# KiCad board MES Main Board.kicad_pcb (continued)
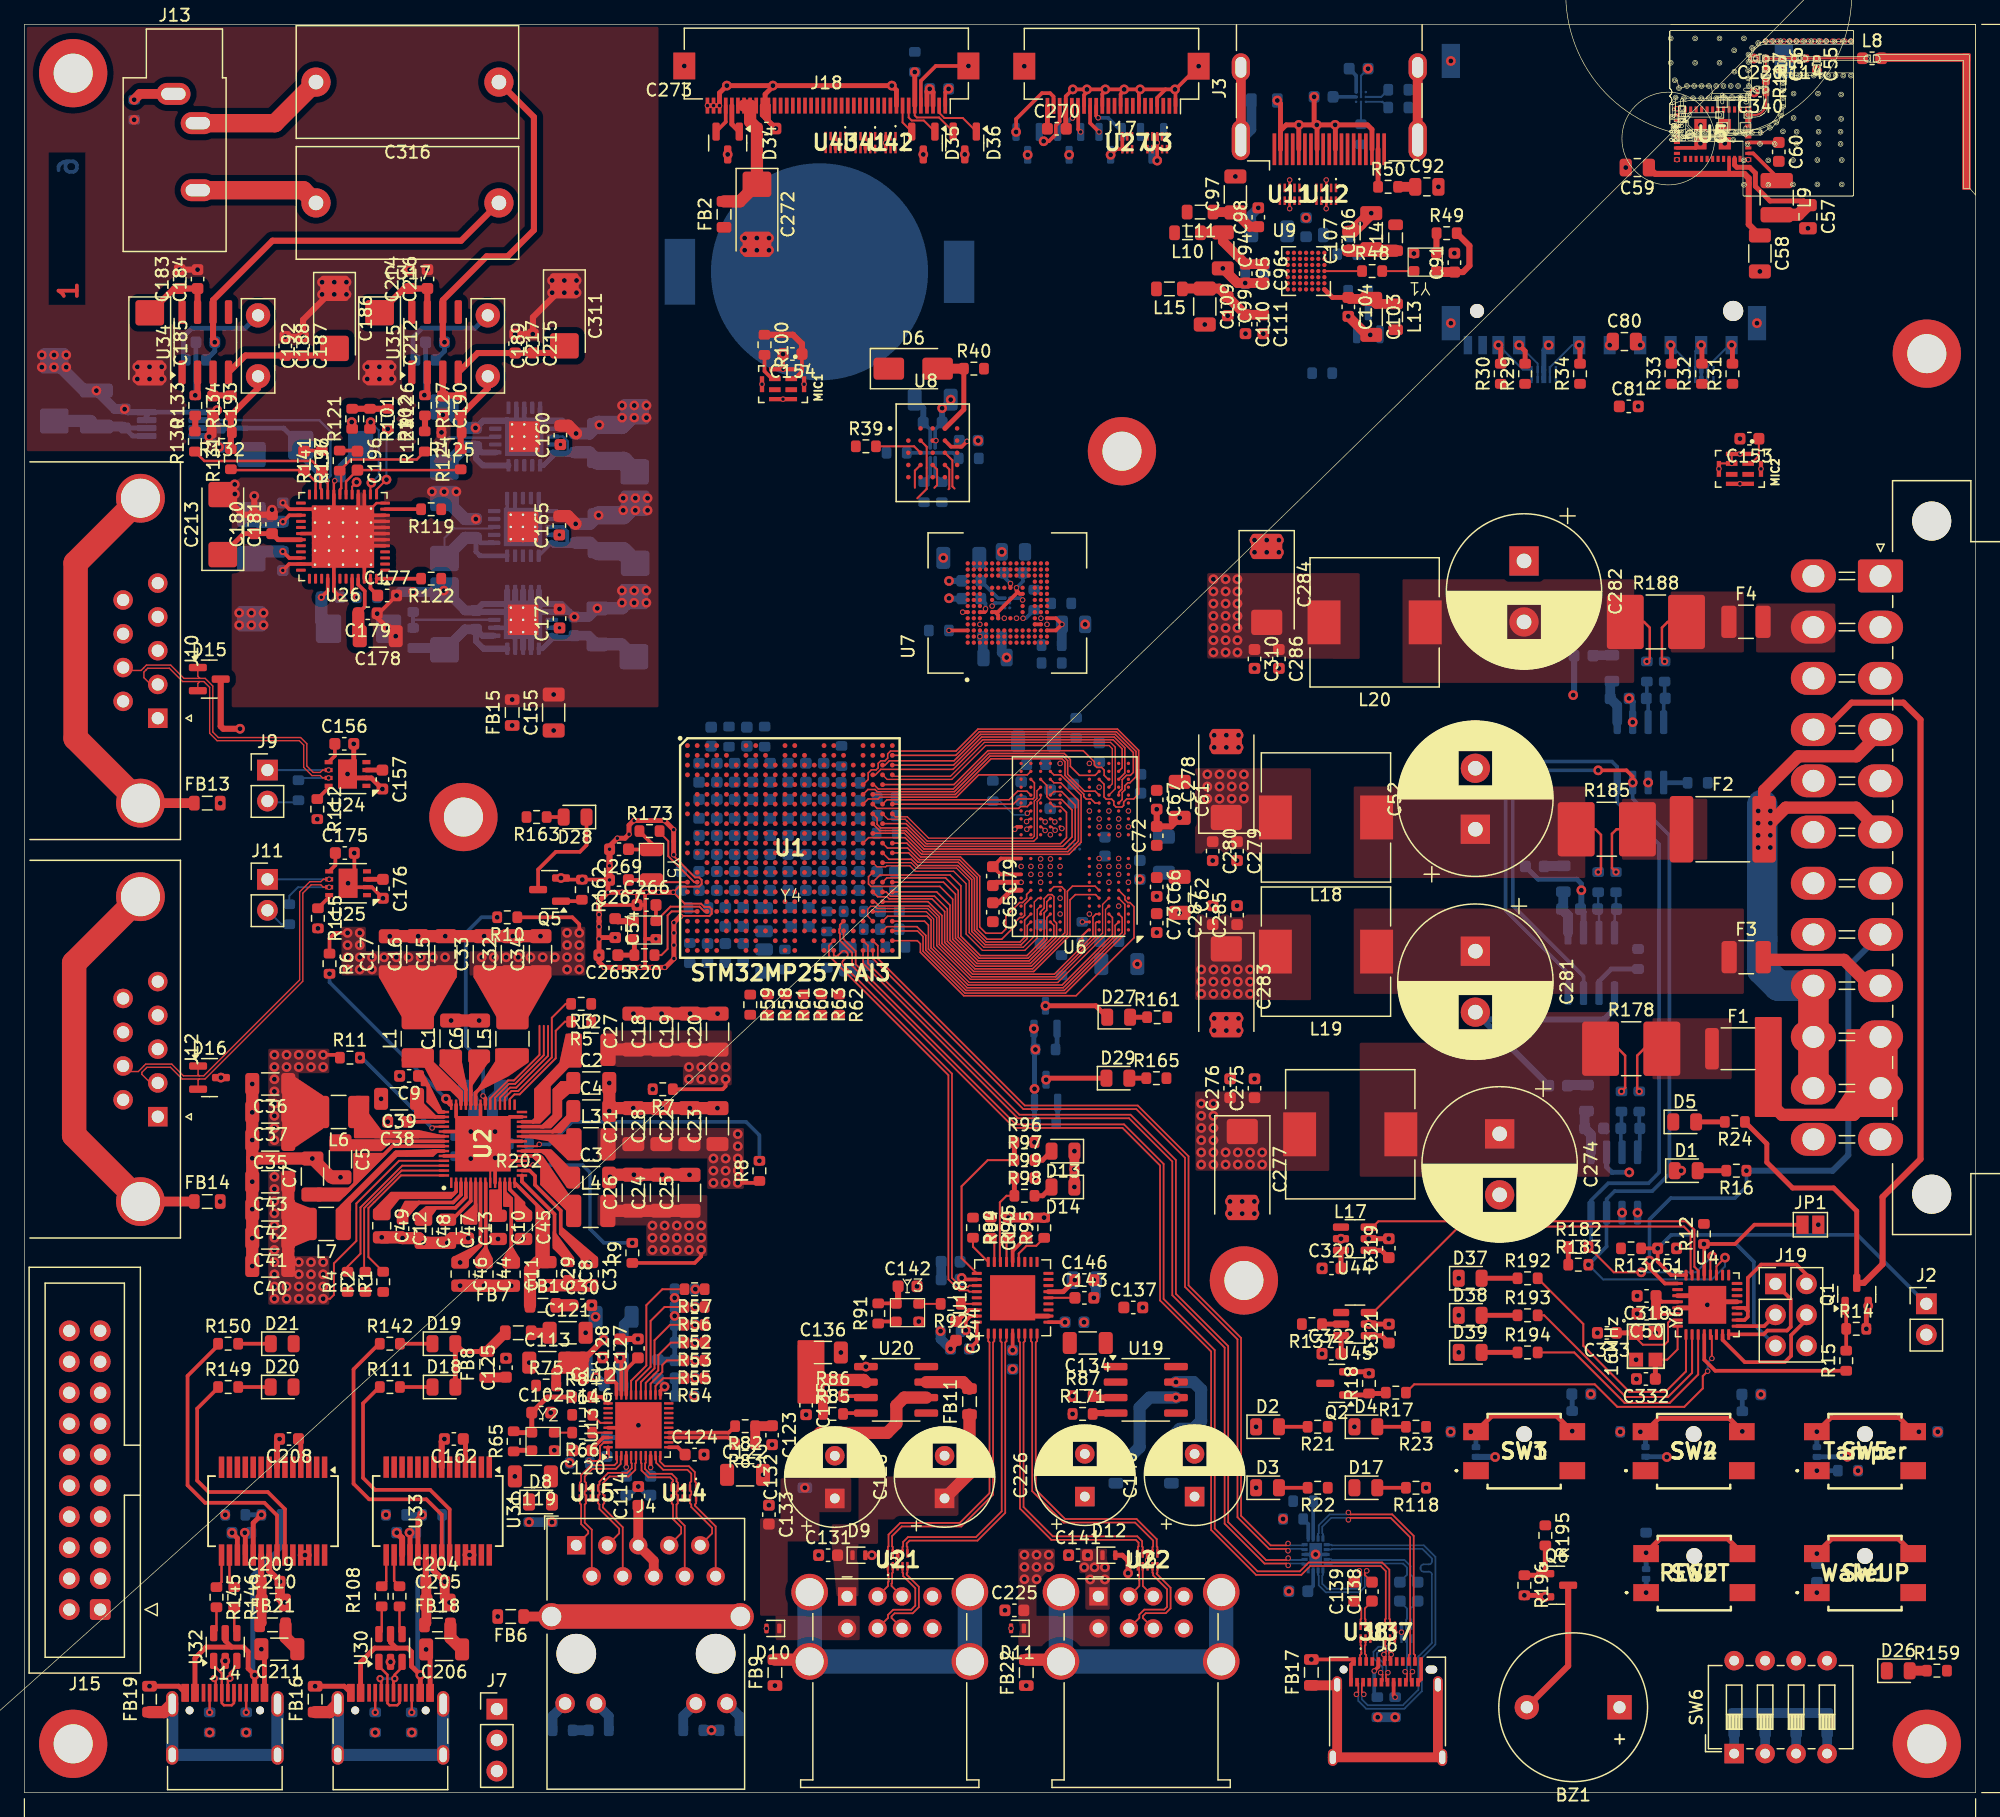
[diagram p0: board, top side]
## Routing (per net, layer and track width the routed paths; a pad name or vN(x,y) marks a point on that pad's centre or on a via; arc(x,y) is an arc through that point) (continued)
  Top w0.3: D19.1 30.79,36.81
Net-(D20-K): length 2.7
  Top w0.3: D20.1 R149.2
Net-(D21-K): length 2.7
  Top w0.3: D21.1 R150.2
Net-(D23-K): length 10.4
  Top w0.4: v1(126.92,29.65) 126.93,29.64 SW3.2 125.65,30.88 120.31,30.88 SW3.2
  Bottom w0.4: v1(118.6,29.59) 119.03,29.16 D23.1
Net-(D24-K): length 10.3
  Top w0.4: SW4.2 134.02,30.69 139.8,30.69 v1(140.87,29.62) 140.85,29.6 SW4.2
  Bottom w0.4: D24.1 132.93,29.17 v1(132.51,29.59)
Net-(D26-A): length 1.4
  Top w0.8: D26.2 154.61,10 R159.1
Net-(D27-A): length 1.4
  Top w0.4: D27.2 R161.1
Net-(D27-K): length 5.5
  Top w0.4: v1(83.73,64.52) 87.85,64.52 D27.1
Net-(D28-A): length 1.4
  Top w0.3: R163.1 D28.2
Net-(D28-K): length 8.7
  Top w0.3: D28.1 46.09,77.7 45.55,77.15 43.58,77.15 42.12,75.69 Q5.3
Net-(D29-A): length 1.4
  Top w0.4: D29.2 R165.1
Net-(D29-K): length 4.8
  Top w0.4: D29.1 83.9,58.59
  vias: v1(83.78,58.46)
Net-(D37-A): length 2.9
  Top w0.4: D37.2 122.43,42.18 R192.1
Net-(D38-A): length 2.9
  Top w0.4: D38.2 R193.1
Net-(D39-A): length 2.9
  Top w0.4: R194.1 122.43,36.1 D39.2
Net-(F1-Pad1): length 5.3
  Top w0.2: R178.2 132.81,61 132.25,60.44 132.25,57.67 v3(132.42,57.5)
Net-(F2-Pad1): length 5.5
  Top w0.2: R185.2 130.56,79 130.18,78.62 130.18,75.82 v3(130.51,75.49)
Net-(F4-Pad1): length 5.1
  Top w0.2: v3(134.5,92.76) 134.28,92.98 134.28,95.53 134.75,96 R188.2
Net-(FB5-Pad1): length 15.5
  Top w0.8: J3.SH J3.SH ; J3.SH J3.SH
  Bottom w0.8: J3.SH 100.62,136.39 FB5.1
Net-(FB6-Pad1): length 17.8
  Top w0.8: J4.16 FB6.1
  Top w2: J4.16 J4.15
Net-(J3-+5V): length 3.1
  Top w0.4: J3.18 R50.1
Net-(J3-CEC): length 1.8
  Bottom w0.164: U10.A2 R44.1
Net-(J3-HPD/HEAC-): length 1.5
  Bottom w0.8: R51.1 101.66,125.2 C93.2
Net-(J3-SCL): length 2
  Bottom w0.164: U10.A3 111.37,138.65 R45.1
Net-(J3-SDA): length 2.1
  Bottom w0.164: R46.1 111.25,139.05 U10.B3
Net-(J4-CT1): length 6.3
  Top w0.8: C114.1 50.34,23.55 J4.5 51.6,19.01 J4.6
Net-(J4-GA): length 2.6
  Bottom w0.8: R68.1 43.31,6.28 44.34,7.31
Net-(J4-GC): length 2.6
  Bottom w0.8: J4.12 47.92,6.27 R70.2
Net-(J4-YA): length 2.6
  Bottom w0.8: R71.2 54.03,6.28 J4.13
Net-(J4-YC): length 2.6
  Bottom w0.8: J4.14 58.64,6.27 R69.2
Net-(J5-Shield): length 27.4
  Top w1: FB9.2 64.25,10.9 J5.9
  Bottom w2: J5.9 J5.9 77.53,10.76 77.53,16.44
Net-(J6-CC1): length 3.2
  Top w0.3: v2(110.69,9.98) 111.03,10.32 J6.A5
  Bottom w0.3: R180.1 110.69,8.08 v2(110.69,9.98)
Net-(J6-CC2): length 1.3
  Top w0.3: J6.B5 112.28,7.95 v2(112.4,7.83)
Net-(J6-SHIELD): length 23.3
  Top w0.8: J6.S1 115.91,3.25 J6.S1 J6.S1 107.65,3.25 J6.S1 107.6,8.8 FB17.1
Net-(J8-CC1): length 1.6
  Top w0.2: v3(28.77,6.58) 28.77,6.58 J8.A5
Net-(J8-CC2): length 1.6
  Top w0.2: v3(31.76,6.58) 31.77,6.59 J8.B5
Net-(J8-SHIELD): length 19.1
  Top w1: J8.S1 25.02,6.6 FB16.1
  Bottom w1: J8.S1 J8.S1 J8.S1 J8.S1
Net-(J9-Pin_2): length 2.7
  Top w0.157: 20.04,81.2 J9.2
  Bottom w0.157: J9.2 20.04,81.2 22.47,81.2
Net-(J10-PAD): length 33.8
  Top w0.8: FB13.1 9.52,81.14 J10.0
  Top w2: J10.0 4.2,100.83 4.2,86.46 J10.0
Net-(J11-Pin_2): length 2.3
  Top w0.3: 19.92,72.34 J11.2
  Bottom w0.157: R116.1 21.08,71.2 J11.2
Net-(J12-PAD): length 33.9
  Top w0.8: J12.0 9.52,48.47 FB14.1
  Top w2: J12.0 4.08,53.9 4.08,68.03 J12.0
Net-(J13-PadS): length 3.4
  Top w0.8: J13.S 9.47,139.3 v1(9,138.83)
Net-(J14-CC1): length 1.6
  Top w0.2: v3(15.19,6.58) 15.19,6.58 J14.A5
Net-(J14-CC2): length 1.6
  Top w0.2: J14.B5 18.19,6.58 v3(18.19,6.58)
Net-(J14-SHIELD): length 19.1
  Top w1: FB19.1 11.44,6.6 J14.S1
  Bottom w1: J14.S1 J14.S1 J14.S1 J14.S1
Net-(J16-Shield): length 27.4
  Top w1: J16.9 84.86,10.9 FB22.2
  Bottom w2: J16.9 J16.9 J16.9 J16.9
Net-(MIC1-LR): length 2.4
  Top w0.3: R100.2 60.69,116.56 61.31,115.95 MIC1.2
Net-(Q1-G): length 3.7
  Top w0.3: R15.2 149.39,39.83 Q1.1
Net-(Q2-G): length 3.1
  Top w0.4: Q2.1 110.13,32.61 R18.1 111.56,32.73
Net-(Q6-G): length 4.1
  Top w0.4: R195.2 124.71,20.26 Q6.1 124.58,17.83 R196.1
Net-(R107-Pad2): length 2.4
  Top w0.2: U30.6 29.3,13.23 R107.2
Net-(R108-Pad2): length 2.4
  Top w0.2: R108.2 30.76,13.21 U30.4
Net-(R145-Pad2): length 2.2
  Top w0.2: 15.52,13.08 15.75,13.31 R145.2
Net-(R146-Pad2): length 2.2
  Top w0.2: R146.2 17.21,13.29 17.42,13.08
Net-(R152-Pad2): length 1.7
  Bottom w0.8: R152.2 SW6.4
Net-(R156-Pad2): length 1.7
  Bottom w0.8: R156.2 SW6.3
Net-(R157-Pad2): length 1.7
  Bottom w0.8: R157.2 142.74,3.2
Net-(R158-Pad2): length 1.7
  Bottom w0.8: R158.2 SW6.1
Net-(SD1-CLK): length 5.7
  Top w0.4: v1(127.49,118.7) 127.56,118.63 R34.2
  Bottom w0.157: v1(127.49,118.7) 126.91,118.7 125.09,116.88 U16.4 U16.7
Net-(SW5-B): length 1.7
  Bottom w0.4: R155.2 v1(146.98,26.4)
Net-(Temp3-ADD0): length 2.3
  Bottom w0.3: R203.1 36.02,53.21 Temp3.B2
Net-(Temp4-ADD0): length 1.9
  Bottom w0.3: Temp4.B2 R205.1
Net-(U2-INTLDO): length 6.6
  Top w0.3: C44.1 37.83,43.61 37.83,49.98
Net-(U2-LDO1OUT): length 12.3
  Top w0.3: 40.2,50.01 42.91,47.3 C29.1
  Top w1: FB1.1 41.46,42.87 42.09,43.5 C29.1
Net-(U2-PWRCTRL1): length 13
  Top w0.157: U2.56 30.88,50.61 28.21,47.94 28.21,43.92 R1.2
Net-(U2-PWRCTRL2): length 13.1
  Top w0.157: R2.2 27.86,42.81 27.86,47.94 30.93,51.01 U2.55
Net-(U2-PWRCTRL3): length 14
  Top w0.157: R4.2 26.5,43.13 27.56,44.19 27.56,47.99 30.98,51.41 U2.54
Net-(U2-RSTN): length 11.1
  Top w0.157: R3.2 44.39,64.68 43.25,63.54 43.25,60.29 40.49,57.53 39.94,57.53 39.4,56.99 U2.31
Net-(U2-VBUS): length 6.8
  Top w0.3: C11.1 39.92,48.69 39.4,49.21 U2.12
Net-(U2-VLX1): length 5.8
  Top w0.3: U2.40 35.8,57.47 32.85,60.42 L1.1
Net-(U2-VLX2): length 8.2
  Top w0.3: 44.44,60.91 44.44,60.12 41.96,57.64 41.96,55.26 41.71,55.01 U2.26 ; 45.06,60.68 L2.1
Net-(U2-VLX3): length 4.5
  Top w0.3: L3.1 44.41,53.81 U2.23
Net-(U2-VLX4): length 7
  Top w0.3: L4.1 44.66,47.7 42.46,49.9 42.46,51.48 41.73,52.21 U2.19
Net-(U2-VLX5): length 5.3
  Top w0.3: U2.37 37,57.39 38.31,58.7 38.31,58.7 L5.1
Net-(U2-VLX6): length 8.1
  Top w0.3: U2.48 29.17,53.81 L6.1
Net-(U2-VLX7): length 12.2
  Top w0.3: U2.51 33.63,52.61 33.42,52.4 ; 30.69,52.4 31.35,52.4
  Top w0.5: L7.1 26.15,48.06 30.49,52.4 33.42,52.4
Net-(U2-VREFDDR): length 3.1
  Top w0.3: U2.45 31.34,55.01 C38.1
Net-(U2-WAKEUPN): length 9.4
  Top w0.157: U2.30 39.8,56.87 40.19,57.26 40.61,57.26 43.57,60.22 43.57,62.47 44.32,63.22 R5.2
Net-(U4-XTAL1/PB6): length 7.4
  Top w0.157: Y6.1 132.16,37.28 132.71,36.73 134.5,36.73 134.78,37.01 134.78,38.54 134.99,38.75 U4.7
  Top w0.4: Y6.1 C333.1
Net-(U4-XTAL2/PB7): length 5.6
  Top w0.157: U4.8 135.56,36.35 134.71,35.5 Y6.3
  Top w0.4: Y6.3 133.74,35.48 C332.1
Net-(U5-ANT): length 3.8
  Top w0.157: U5.41 141.87,137.57 arc(142.53,137.84) 142.8,138.5 R117.2
Net-(U5-SR_VLX): length 3.4
  Top w0.3: U5.34 141.76,134.42 143.69,132.5 L9.1
Net-(U5-VIN_LDO): length 11.4
  Top w0.4: U5.31 140.23,133.47 140.42,133.28 141.47,133.28 141.94,132.81 141.94,131.72 143.14,130.52 145.91,130.52 C57.1
  Top w1: C57.1 145.46,129.39 L9.2
Net-(U6A-ZQ0): length 1.2
  Top w0.164: v2(86.65,69.85) 86.75,69.95 86.75,70.27 87.23,70.75 U6.A5
Net-(U7-RSTn): length 1.2
  Bottom w0.3: v2(81.89,96.3) 82.12,96.3 R36.2
Net-(U7-VDDI): length 1.7
  Bottom w0.8: C87.1 78.59,93.13 C86.1
  vias: v2(78.35,94.8)
Net-(U9-A2VDD): length 6.3
  Top w0.4: C104.1 107.26,122.61 U9.G7
  Top w0.8: L13.1 110.85,122.08 C103.1 108.68,122.49 C104.1
Net-(U9-CEC_CLK): length 3.1
  Top w0.157: U9.D7 R48.1
Net-(U9-PVDD): length 3.9
  Top w1: C107.1 108.57,126.44 L14.1
Net-(U9-V3P3): length 4.2
  Top w0.8: L11.1 99.27,129.61 C97.1 100.47,128.41 C98.1
Net-(U13-CLKOUT): length 1.6
  Top w0.157: 46.57,30.98 47.23,30.32 U13.35
Net-(U13-REG_OUT): length 1.7
  Top w0.3: L16.1 48.55,33.54 48.55,32.61
Net-(U13-RESET): length 3.1
  Top w0.157: 47.54,28.72 U13.39 47.51,28.72 47.2,28.41 47.2,27.36 47.04,27.2 v2(46.3,27.2)
Net-(U13-RXCLK_PHYAD1): length 11.6
  Top w0.157: R57.2 52.31,41.28 51,39.97 51,35.02 49.75,33.77 U13.27
Net-(U13-RXCTL_PHYAD2): length 9.8
  Top w0.157: R56.2 52.49,39.82 51.35,38.68 51.35,34.92 50.15,33.72 U13.26
Net-(U13-RXD0_RXDLY): length 7.9
  Top w0.157: R52.2 52.94,38.36 51.67,37.09 51.67,34.79 50.55,33.67 U13.25
Net-(U13-RXD1_TXDLY): length 6.3
  Top w0.157: R53.2 53.01,36.9 51.98,35.87 51.98,34.63 50.95,33.6 U13.24
Net-(U13-RXD2_PLLOFF): length 4.8
  Top w0.157: U13.23 51.35,33.53 52.31,34.49 52.31,35.06 52.69,35.44 R55.2
Net-(U13-RXD3_PHYAD0): length 3.4
  Top w0.157: R54.2 52.38,33.98 51.75,33.35 U13.22
Net-(U13-XTAL_OUT_EXT_CLK): length 1.3
  Top w0.157: U13.37 R66.1
Net-(U18-CRFILT): length 2.2
  Top w0.164: U18.14 86.14,40.58 C143.1
Net-(U18-PLLFILT): length 2.1
  Top w0.3: C144.1 76.51,38.64 77.45,39.58 U18.34
Net-(U18-RBIAS): length 2.3
  Top w0.3: U18.35 77.58,39.08 77.19,38.69 v1(77.19,37.91)
  Bottom w0.3: R93.1 76.84,37.91 v1(77.19,37.91)
Net-(U18-RESET_N): length 2.1
  Top w0.164: U18.26 79.53,45.21 R90.2
Net-(U18-SCL/SMBCLK/CFG_SEL0): length 2.1
  Top w0.164: U18.24 80.53,45.33 R94.1
Net-(U18-SDA/SMBDATA/NON_REM1): length 3.3
  Top w0.164: R95.1 82.97,44.84 82.17,44.84 81.53,44.21 U18.22
Net-(U18-VBUS_DET): length 2.5
  Top w0.164: U18.27 77.78,44.77 R89.2
Net-(U18-XTALIN/CLKIN): length 1.3
  Top w0.157: U18.33 R92.1
Net-(U19-OUT1): length 9.5
  Bottom w1: v1(94.43,33.66) 95.88,33.66 96.49,33.05 96.49,30.47 95.85,29.83 94.75,29.83 94.06,29.14 FB24.2
Net-(U19-OUT2): length 8.9
  Bottom w1: FB25.2 90.62,27.5 91.45,28.33 91.45,31.58 92.26,32.39 v1(94.43,32.39)
Net-(U20-OUT1): length 3.8
  Top w1: FB11.2 76.96,33.66 U20.7
Net-(U20-OUT2): length 13.7
  Top w1: 73.95,32.39 72.14,32.39 71.5,31.75 71.5,30.25 70.75,29.5 65.25,29.5 64,28.25 v1(64,27.12)
Net-(U23-NR): length 0.6
  Bottom w0.3: v3(43.96,110.55) 43.96,110.55 U23.14
Net-(U26-I2C): length 7
  Top w0.164: U26.17 26.88,107.1 v1(27.24,107.46) ; 26.88,111.64 R121.1 26.84,111.87 v1(26.84,112.39)
  In3.Cu w0.164: v1(26.84,112.39) 27.24,111.99 v1(27.24,107.46)
Net-(U26-LDOE): length 1.7
  Top w0.3: v3(27.26,98.02) 26.88,98.41 U26.44
Net-(U26-OUTL1+): length 10.9
  Top w0.2: R124.1 35.72,108.45 C196.2 26.38,107.52 U26.18
Net-(U26-OUTL1-): length 9.7
  Top w0.2: U26.19 25.88,106.86 25.97,106.96 25.97,108.28 R136.1 26.77,109.32 32.17,109.32 R123.1
Net-(U26-OUTR1+): length 8.4
  Top w0.2: U26.23 23.88,107.51 C197.2 17,108.45 R131.1
Net-(U26-OUTR1-): length 13.1
  Top w0.2: R130.1 14.75,109.2 23.59,109.2 R141.1 24.27,108.29 24.27,106.96 24.38,106.86 U26.22
Net-(U26-VDD18): length 1.6
  Top w0.3: C177.1 28.38,98.77 U26.47
Net-(U28-NR): length 0.6
  Bottom w0.4: U28.14 v3(43.86,103.14)
Net-(U29-FB): length 8
  Bottom w0.2: U29.3 31.88,96.17 31.87,96.17
  Bottom w0.3: R105.2 R106.1
Net-(U29-NR/SS): length 0.6
  Bottom w0.4: v3(43.88,95.52) 43.88,95.52 U29.14
Net-(U31-3V3OUT): length 2
  Top w0.5: U31.17 30.97,20.88 v1(30.53,21.32)
Net-(U31-CBUS0): length 19.9
  Top w0.3: R111.1 29.11,33.26 27.77,31.92 27.77,25.81 28.75,24.83 33.27,24.83 34.87,23.23 U31.23
Net-(U31-CBUS1): length 24
  Top w0.3: U31.22 34.22,22.79 32.96,24.05 28.27,24.05 26.99,25.33 26.99,34.71 29.09,36.81 R142.1
Net-(U31-VCC): length 8.2
  Top w0.4: U31.4 36.17,28.82 35.99,29
  Top w0.5: U31.20 32.92,17.3
  Top w0.8: 32.92,17.3 32.96,17.26 C205.1 32.96,13.91 FB18.1
Net-(U31-~{RESET}): length 4.7
  Top w0.4: v1(32.61,22.78) 32.27,22.44 U31.19
  Bottom w0.5: R110.1 v1(32.61,22.78)
Net-(U33-3V3OUT): length 2
  Top w0.4: v1(17.02,21.31) 17.47,20.87 U33.17
Net-(U33-CBUS0): length 20.3
  Top w0.3: U33.23 21.36,23.25 19.96,24.65 15.11,24.65 14.17,25.59 14.17,31.49 15.89,33.21 R149.1
Net-(U33-CBUS1): length 24.3
  Top w0.3: U33.22 20.72,22.74 19.68,23.77 14.81,23.77 13.38,25.2 13.38,34.17 15.88,36.67 R150.1
Net-(U33-VCC): length 8.2
  Top w0.4: C208.1 22.66,28.81 U33.4
  Top w0.5: U33.20 19.41,17.31 C209.1
  Top w0.8: FB21.1 19.45,13.92 C210.1 19.45,17.26 C209.1
Net-(U33-~{RESET}): length 4.9
  Top w0.4: v1(19.43,22.78) 18.77,22.12 U33.19
  Bottom w0.4: v1(19.43,22.78) R148.1
Net-(U34-+): length 3.4
  Top w0.5: R134.2 15.52,114.58 C193.1 U34.3
Net-(U34--): length 6.3
  Top w0.5: v1(14.01,114.58) 14.2,114.77 U34.2
  Bottom w0.4: C194.1 14.06,114.63 v1(14.01,114.58)
Net-(U35-+): length 3.4
  Top w0.5: U35.3 C190.1 34.35,114.57 R127.2
Net-(U35--): length 6.3
  Top w0.5: U35.2 33.04,114.77 R126.2
  Bottom w0.4: v1(32.8,114.6) 32.9,114.7 C191.1
Net-(U45-DIR): length 1.6
  Top w0.4: U45.5 R137.1
Net-(U46-IN+): length 3.4
  Bottom w0.3: U46.8 132.46,52.69 C323.2 132.42,54.51 R138.2
Net-(U46-IN-): length 3.4
  Bottom w0.3: R179.2 130.96,54.52 C323.1 130.91,52.61 U46.7
Net-(U46-VS): length 3.7
  Bottom w0.8: U46.5 128.47,53.95 C324.2 127.95,55.75 FB3.1
Net-(U47-A0): length 4.6
  Bottom w0.4: R190.2 130.12,67.53 129.12,66.53 129.12,65.56
Net-(U47-IN+): length 3.7
  Bottom w0.2: 130.39,72.18 130.56,72.35 130.51,72.4 ; U47.8 130.39,72.29 C326.2 130.51,72.51 R186.2
Net-(U47-IN-): length 3.6
  Bottom w0.2: 129.12,72.24 129.01,72.35 129.05,72.39 ; R184.2 129.05,72.5 C326.1 129.12,72.35 129.12,70.51
Net-(U47-VS): length 3.6
  Bottom w0.8: U47.5 126.58,71.93 C327.2 126.19,72.6 FB12.1
Net-(U48-A1): length 2
  Bottom w0.4: U48.1 134.44,82.81 R191.2
Net-(U48-IN+): length 3.4
  Bottom w0.3: U48.8 134.42,89.6 C329.2 134.5,89.78 R189.2
Net-(U48-IN-): length 3.4
  Bottom w0.3: R187.2 133.04,89.77 C329.1 133.15,89.58 U48.7
Net-(U48-VS): length 3.7
  Bottom w0.8: FB20.1 130.04,91.01 C330.2 130.61,89.16 U48.5
Net-(Y1-OUT): length 2.6
  Top w0.157: 111.34,124.77 113.93,124.77 Y1.3
Net-(Y1-VC): length 1.7
  Top w0.5: Y1.1 115.79,127.87 R49.1
Net-(Y2-OUT): length 1.5
  Top w0.157: R66.2 Y2.3
Net-(Y2-VC): length 1.5
  Top w0.4: Y2.1 40.21,28.07 R65.1
Net-(Y3-OUT): length 1.8
  Top w0.157: R92.2 73.34,40.08 Y3.3
Net-(Y3-VC): length 1.5
  Top w0.3: R91.1 70.18,38.63 Y3.1
Net-(Y4-VC): length 2.7
  Top w0.4: C265.1 R20.2 50.02,69.92 Y4.1

## Copper pours and planes (outline as drawn; the poured copper is in the pictures)
+1.8V on Top (solid shape): 38.78,63.67 36.93,66.9 43.11,66.91 41.26,63.67
+1.8V on Top: 36.5,67 36.5,69 44,69 44,71 46,71 46,67
+1V_RGMII on Top (solid shape): 44.44,36.06 45.92,36.06 45.92,35.38 44.44,35.38
+3.3V on Top (solid shape): 23.78,47.69 22.07,48.37 22.07,44.86 23.77,45.58
+3.3V on Top (solid shape): 30.64,47.29 31.24,48.44 32.36,48.44 31.38,47.2
+3.3V on Top: 20,51 22,51 22,44 25,44 25,40 20,40
+3.3V_USB on Top (solid shape): 40.29,47.56 40.29,48.81 41.54,47.56
+5V on Top (solid shape): 27.07,49.85 27.07,52.36 29.59,52.36
+5V on Top (solid shape): 33.15,58 34.24,55.8 33.15,56.6
+5V on Top (solid shape): 36.56,57.89 38.08,60.09 36.56,60.1
+5V on Top (solid shape): 24.07,49.52 26.75,49.52 25.8,48.57 24.06,48.57
+5V on Top (solid shape): 30.09,53.46 29.25,52.7 25.12,52.7 25.12,53.46
+5V on Top (solid shape): 35.8,58.04 34.2,59.97 35.77,59.97 36.25,57.65
+5V on Top (solid shape): 38.22,47.6 38.86,49.36 39.06,49.36 39.06,47.6
+5V on Top (solid shape): 39.06,49.36 38.21,49.36 38.21,46.9 39.06,46.9
+5V on Top (solid shape): 43.26,54.16 43.98,54.16 44.82,55.14 44.49,55.39
+5V on Top (solid shape): 43.42,45.97 44.98,43.83 44.24,43.83 43.42,44.81
+5V on Top (solid shape): 63.5,32 65.5,32 65.5,37 63.5,37
+5V on Top (solid shape): 41.47,52.56 41.93,52.66 43.17,52.66 44.56,51.28 44.56,49.67 42.74,52.32 42.4,52.56
+5V on Top (solid shape): 42.35,54.56 43.13,54.56 44,55.46 44,56.82 44.68,57.42 44.68,58.24 44.02,58.24 43.42,57.64 43.42,55.55
+5V on Top: 99.5,77 105.5,76.98 105.5,84 96,84 96,77
+5V_HDMI on Top (solid shape): 37.35,44.92 35.16,43.84 36.39,43.84
+5VSB on Top: 99.5,65 105.5,64.98 105.5,72 96,72 96,65
+12V on Top: 99.5,51 107,50.97 107,57.5 96,57.5 96,51
-12V on Top: 100.5,93 109.5,92.97 109.5,100 97,100 97,93
GND on In1.Cu, In3.Cu: 0,0 160,0 160,145 53,145 53,88 14,88 14,109 0,109
GNDA on Top, Bottom: 0,145 0,110 17,110 17,89 52,89 52,145
VDD1_DDR on Top (solid shape): 33.65,55.36 32.05,55.36 32.05,57
VDD2_DDR on Top (solid shape): 24.4,54.5 22,52.9 22,58.7 24.4,57.1
VDD2_DDR on Top: 22.5,53 20,53 20,61 25,61 25,59 22.5,59
VDD_CORE on Top: 47.5,62.5 58,62.5 58,58 54,58 54,59.5 47.5,59.5
VDD_CPU on Top (solid shape): 31,63.7 29.17,66.91 35.35,66.91 33.5,63.7
VDD_CPU on Top: 35.5,67 35.5,69 26,69 26,67
VDD_CPU on Top: 26,69 26,71 28,71 28,69
VDD_EMMC on Top (solid shape): 44.08,46.27 46.92,43.86 45.69,43.86 44.07,45.69
VDD_GPU on Top: 47,54.5 59,54.5 59,49.5 56,49.5 56,52 47,52
VDD_IO on Top: 47,49 56,49 56,44 51,44 51,46.5 47,46.5
VDD_SDCARD on Top (solid shape): 32.14,47.34 32.95,48 33.7,48 33.7,47.83 33.34,47.34
VDDIO_SDCARD on Top (solid shape): 28.68,47.74 30.08,49.17 35.35,49.17 34.94,48.77 30.7,48.77 29.89,47.74
/Power PMIC/PSU_+12V on Top (solid shape): 144,55.5 142,55.5 142,63.5 144,63.5
/Power PMIC/PSU_+12V on Top (solid shape): 148.17,55.5 149.5,57.5 149.5,62.5 153.5,62.5 153.5,55.5
/Power PMIC/PSU_-12V on Top: 142,97.5 142,93.5 148.5,93.5 148.5,97.5
Net-(C52-Pad1) on Top: 128,75 109,75 109,82.5 128,82.5
Net-(C274-Pad1) on Top: 130,64 121.5,64 121.5,61.5 109.5,61.5 109.5,50.5 130,50.5
Net-(C281-Pad1) on Top: 141,65.5 109,65.5 109,72.5 141,72.5
Net-(C282-Pad2) on Top: 132,91 113,91 113,99.5 132,99.5
Net-(D9-K) on Top: 68.4,16.1 66.6,16.1 66.2,20.4 68.4,20.4
Net-(D9-K) on Top: 70,20.4 70,22.4 76.6,22.4 76.6,26 68.4,25.88 68.4,22 66.2,22 66.2,20.4
Net-(D10-K) on Top: 67.8,25.8 62,25.78 62,22.5 60.32,22.5 60.32,14.5 62.6,14.5 62.6,20.6 65.2,20.6 65.2,23 67.8,23
Net-(D10-K) on Top: 61.6,12.5 61.6,14.5 68.5,14.5 68.5,12.5
Net-(D11-K) on Top: 89,12 81.5,12 81.5,20 84.5,20 84.5,18.5 83,17 83,14.5 89,14.5
Net-(D11-K) on Bottom: 83,17 84.5,18.5 84.5,22 90.5,22 90.5,26 81.5,26 81.5,17
Net-(D12-K) on Top: 87,15 87,18 86.5,18 86.5,20 89,20 89,15
Net-(D12-K) on Bottom: 87,15 87,18 86.5,18 86.5,21.5 91.5,21.5 91.5,26 98,26 98,20 89,20 89,15
Net-(F1-Pad1) on Top: 140,63.5 140,58.5 133.5,58.5 133.5,63.5
Net-(F2-Pad1) on Top: 138,81.5 138,76.5 131,76.5 131,81.5
Net-(F4-Pad1) on Top: 141,98.5 141,93.5 135,93.5 135,98.5
Net-(U2-INTLDO) on Top (solid shape): 37.83,44.76 37.09,43.82 38.28,43.81
Net-(U2-LDO1OUT) on Top (solid shape): 42,48.12 42,43.8 42.96,43.8 42.96,47.24
Net-(U2-VBUS) on Top (solid shape): 39.91,44.8 39.31,43.77 40.53,43.77
Net-(U2-VLX1) on Top (solid shape): 32.58,60.12 33.87,57.65 35.6,57.65
Net-(U2-VLX1) on Top (solid shape): 33.02,59.55 31.04,59.55 31.04,60.16 33.02,60.13
Net-(U2-VLX1) on Top (solid shape): 31.09,59.95 33.04,59.51 35.85,56.78 35.85,57.5 33.42,59.9
Net-(U2-VLX2) on Top (solid shape): 45.6,62.14 44.47,62.14 43.9,59.56 45.6,59.56
Net-(U2-VLX2) on Top (solid shape): 41.69,54.95 42.25,54.95 43.06,55.76 43.06,57.97 44.63,59.57 44.63,59.86 44,59.86 41.91,57.66 41.91,55.28 41.69,55.07
Net-(U2-VLX3) on Top (solid shape): 41.47,53.86 41.47,53.76 43.01,53.51 44.6,51.96 44.6,53.86
Net-(U2-VLX4) on Top (solid shape): 41.69,52.26 42.28,52.26 42.47,52.1 44.65,48.89 44.65,47.66 42.41,49.88 42.41,51.46 41.69,52.17
Net-(U2-VLX5) on Top (solid shape): 37.38,57.68 39.63,58.82 41.25,59.94 41.25,60.93 38.7,60.93 38.7,59.94 37.29,57.76
Net-(U2-VLX6) on Top (solid shape): 29.58,53.76 27.12,53.76 27.12,57.03
Net-(U2-VLX6) on Top (solid shape): 27.24,57.04 28.18,57.04 28.17,55.36 27.16,55.36
Net-(U2-VLX6) on Top (solid shape): 32.32,54.24 28.73,54.24 28.73,53.76 32.32,53.76
Net-(U2-VLX7) on Top (solid shape): 26.69,47.77 26.69,48.82 25.63,47.77
Net-(U2-VLX7) on Top (solid shape): 33.49,52.25 30.49,52.25 30.45,52.55 33.49,52.66

Small or netless copper shapes (teardrops, artwork), in the pictures only: 7 on Top

## Text on the board
Bottom: 6
Top: 1
In1.Cu: 2
In2.Cu: 3
In3.Cu: 4
In4.Cu: 5
